# Altium PCB BW1098OAK.PcbDoc (part 2 of 3) (continued)
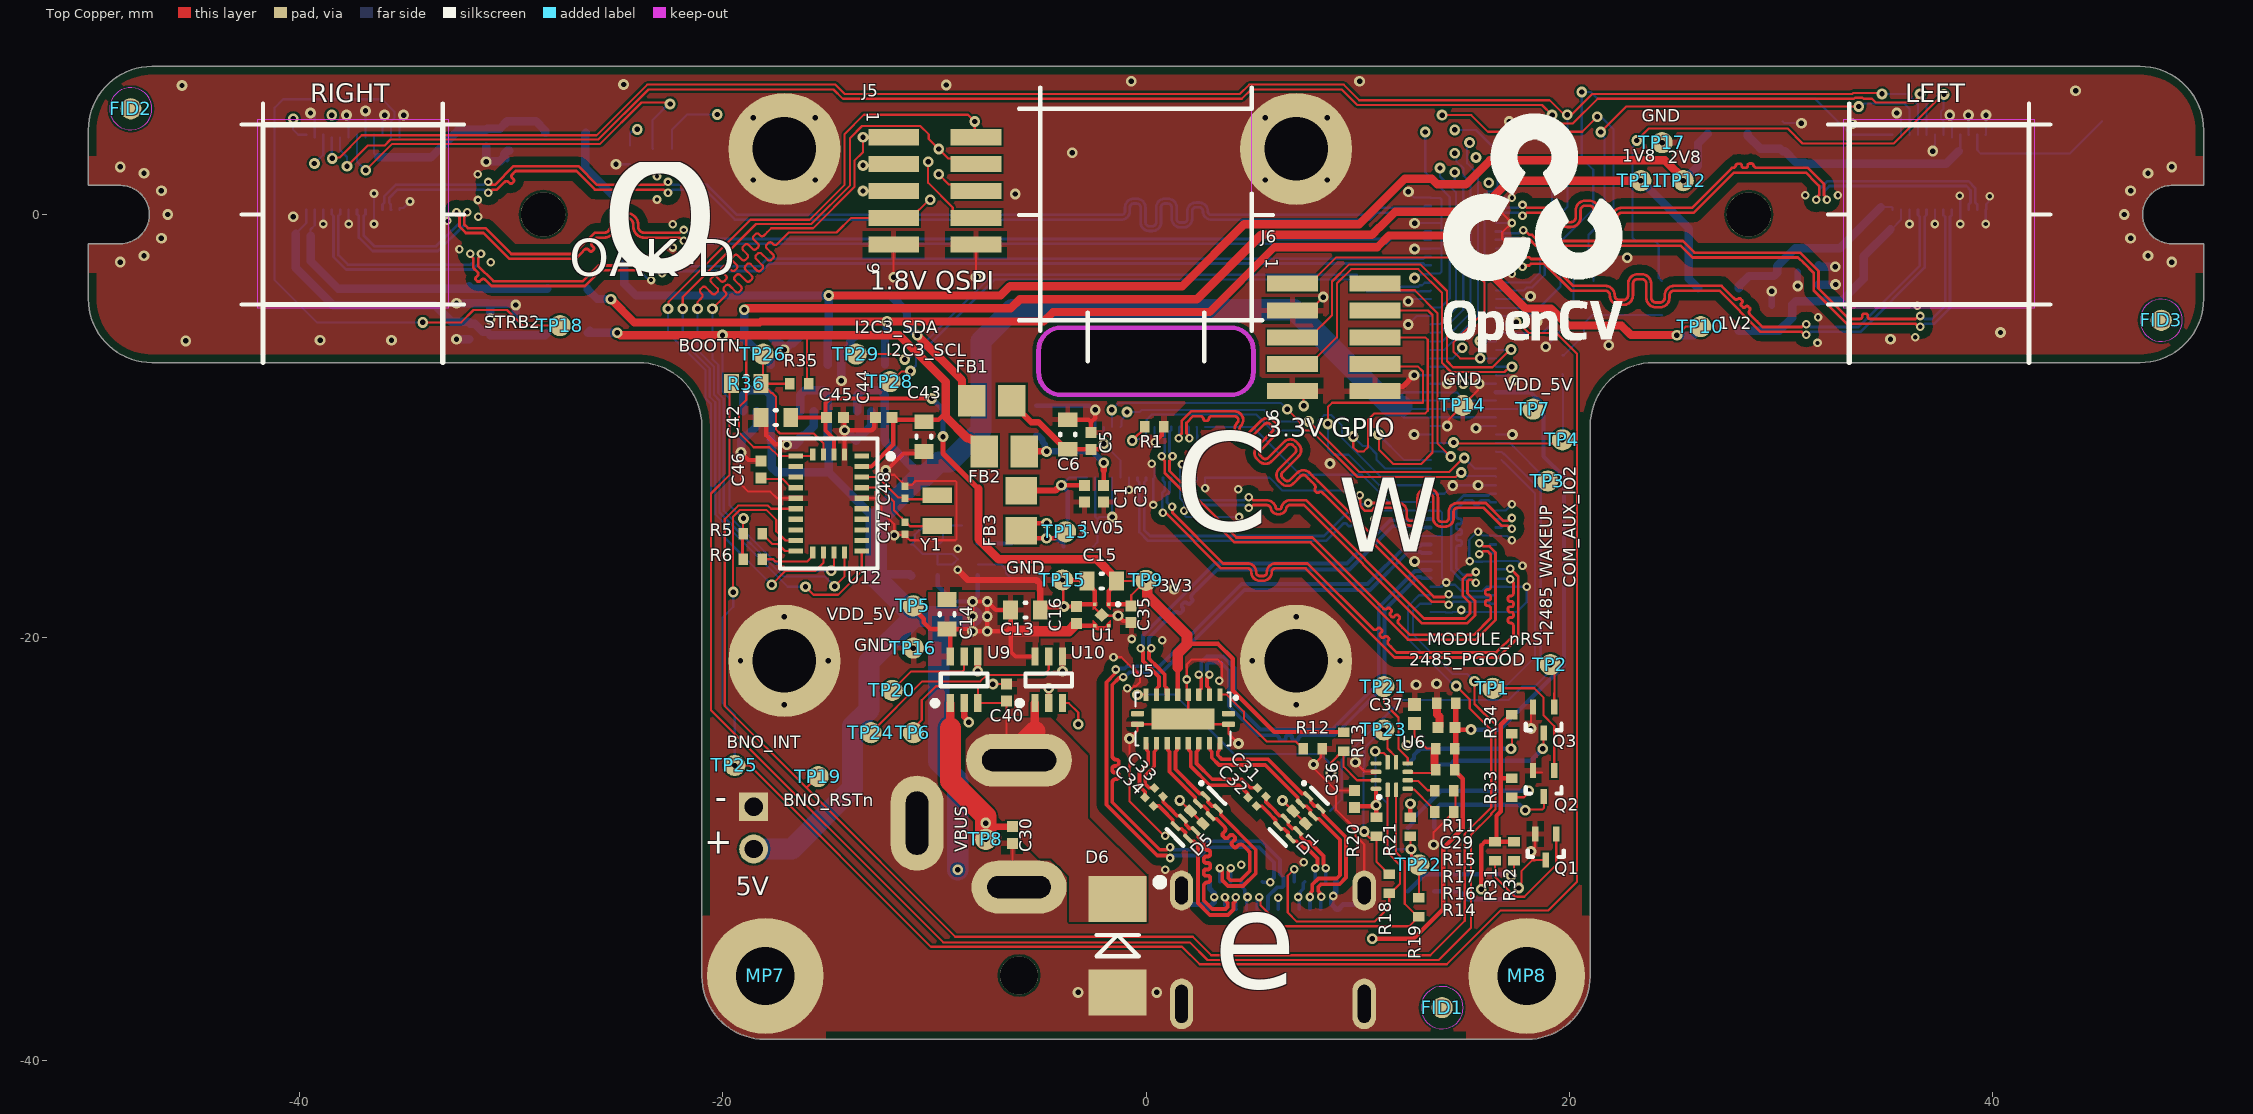
[diagram p0: Top Copper view]
## Nets (pads, with @x,y where several pads share a name; then routed paths per layer and width w, separated by ;. In a path a pad name is that pad's centre, name@x,y a point inside that pad or via, vN(x,y) a via of type N, cw(c..) or ccw(c..) an arc to the next point about the centre after c; other vN are vias at no path point) (continued)
  Top Copper w0.2: v1(-19.15,-11.246) -18.796,-11.6 C46.2@-18.2,-11.6 ; C42.1@-18.3,-9.6 -17.95,-9.95 -17.95,-10.45 -17.538,-10.862 -17.012,-10.862 v1(-16.984,-10.89) ; U12.2@-14.25,-11.35 v1(-14.25,-10.2) ; C45.1@-14.25,-9.6 v1(-14.25,-10.2) ; C44.1@-12.85,-9.6 -12.85,-10.083 -12.967,-10.2 v1(-14.25,-10.2) ; v1@-12.266,-12.1 -11.466,-11.3 C43.1@-10.5,-11.3
  Top Copper w0.203: v1(-3.945,-17.28) -2.85,-17.28 C15.1@-2.795,-17.335 -2.795,-17.435 -2.508,-17.721 -2.499,-17.721 -2.425,-17.796 U1.2@-2.425,-18.425 -3.185,-18.425 C16.1@-3.295,-18.535 v1(-3.878,-18.535) ; C6.1@-3.7,-9.7 -2.719,-9.7 -2.6,-9.819 ; C5.1@-2.6,-10.3 -2.6,-9.819 ; v1(-2.4,-9.238) -2.401,-9.239 -2.401,-9.62 -2.6,-9.819 ; C3.1@-2,-13.6 C3.1@-1.878,-13.722 ; v1(-1.318,-18.971) -1.076,-19.213 C35.1@-0.787,-19.213 ; v2(0.419,-10.773) 0.74,-10.452 0.74,-10.148 R1.2@0.85,-10.038
  Top Copper w0.254: MH4.1@7.075,-23.2 v3(7.1,-23.175) ; J6.10@10.828,-8.347 11.044,-8.131 12.144,-8.131 v1(12.677,-7.598)
  Top Copper w0.3: v4(-8.9,-16.8) -8.42,-17.28 -5.176,-17.28 -5,-17.456 C13.1@-5,-18.7 -4.835,-18.535 v1@-3.88,-18.535 ; U9.2@-8.6,-23.1 -8.6,-23.74 v1@-8.382,-23.958 ; v1@-7.95,-21.5 U9.4@-7.95,-20.9
  Top Copper w0.381: R11.1@13.75,-23.1 13.767,-23.117 13.767,-23.629 13.869,-23.731 13.881,-23.742 ; C29.1@13.8,-24.25 13.869,-24.18 13.869,-23.756
  Bottom Layer w0.102: v1(-39.5,4.8) -39.4,4.8 -39.3,4.7 J9.23@-39.3,3.64 ; v2(-38.9,-0.446) J9.3@-38.9,0.225 ; v1(-37.8,4.7) -37.7,4.7 J9.19@-37.7,3.775 J9.19@-37.7,3.64 ; v2(-37.7,-0.446) J9.6@-37.7,0.225 ; J9.17@-36.9,3.64 -36.9,4.7 -37,4.8 v1(-36.9,4.9) ; v2(-36.5,-0.446) J9.9@-36.5,0.225 v2(-36.5,0.993) ; J9.15@-36.1,3.775 -36.1,4.7 v1(-36,4.7) ; J9.12@-35.3,0.225 -35.3,0.297 -35.289,0.309 -35.109,0.309 v2(-34.8,0.618) ; J9.13@-35.3,3.64 -35.3,4.7 v1(-35.1,4.7) ; -30.2,2.5 -30.15,2.55 C28.1@-30.15,2.709 ; v1(-25.056,2.374) R9.2@-24.4,2.374 ; v2(-23.4,-3.1) -23.476,-3.1 -23.577,-2.999 -23.601,-2.999 -23.8,-2.8 -23.8,-2.3 -23.601,-2.101 -23.577,-2.101 -23.476,-2 v2(-23.4,-2) ; C18.1@-17.7,-5.8 C18.1@-17.7,-5.7 ; R8.1@-10.5,-14.7 -10.5,-14.75 -10.662,-14.912 -10.712,-14.912 -10.934,-15.134 -10.934,-15.434 -11.1,-15.6 -11,-15.6 -10.55,-16.05 U4.3@-9.85,-16.05 ; C22.1@-2.5,-15.7 -2.3,-15.5 C2.1@-2.3,-14.4 ; J2.14@-2.4,-12.438 -2.4,-14.3 C2.1@-2.3,-14.4 ; J2.17@-2.4,-10.038 v1(-2.4,-9.238) ; J2.12@-1.6,-12.438 v1(-1.6,-14.3) -2.2,-14.3 C2.1@-2.3,-14.4 ; v2(-0.8,-13.012) J2.10@-0.8,-12.438 ; v2(0.268,-11.776) 0.268,-11.852 0.4,-11.984 J2.7@0.4,-12.438 0.345,-12.493 v2(0.345,-13.731) ; J2.24@0.4,-10.038 0.4,-10.754 v2(0.419,-10.773) ; v2(1.698,-11.803) 1.698,-11.878 1.6,-11.976 J2.4@1.6,-12.438 1.6,-13.4 1.8,-13.6 v2(1.8,-14) 1.851,-14.051 1.851,-14.251 1.9,-14.3 v2(4.4,-14.3) ; J2.29@2.4,-10.038 2.404,-10.042 2.404,-10.404 2.42,-10.42 v2(2.42,-11.101) ; v2(2.794,-12.943) 2.797,-12.94 2.797,-12.441 J2.1@2.8,-12.438 2.806,-12.444 5.844,-12.444 6.448,-13.048 v2(9.55,-13.048) ; 10.619,-14.581 v2(10.8,-14.4) 11.2,-14 J1.26@13.46,-14 13.468,-14.008 13.908,-14.008 14,-14.1 14,-15.2 ; v1(12.4,-5.2) 12.8,-4.8 J1.72@13.46,-4.8 ; v1(12.4,-4.1) 12.5,-4 J1.76@13.46,-4 ; v1(12.406,1.081) 12.688,0.8 J1.100@13.46,0.8 13.476,0.784 13.899,0.784 13.974,0.709 13.974,-0.158 13.966,-0.165 13.966,-0.4 ; v1(12.677,-10.398) 13.458,-10.398 J1.44@13.46,-10.4 ; v1(12.677,-7.598) 12.679,-7.6 J1.58@13.46,-7.6 ; v1(12.7,-16.4) J1.14@13.46,-16.4 14,-16.4 ; v1(12.7,-15.2) J1.20@13.46,-15.2 14,-15.2 ; v1(12.7,-3) 12.803,-3 12.977,-2.826 13.434,-2.826 J1.82@13.46,-2.8 13.476,-2.784 13.899,-2.784 13.974,-2.709 13.974,-1.6 ; v1(12.7,-1.631) 12.715,-1.615 13.445,-1.615 J1.88@13.46,-1.6 13.974,-1.6 ; v1(12.7,-0.418) 12.709,-0.409 13.451,-0.409 J1.94@13.46,-0.4 13.966,-0.4 ; J1.2@13.46,-18.8 14.148,-18.8 14.168,-18.82 14.472,-18.82 14.491,-18.8 14.724,-18.8 14.824,-18.7 v2(14.9,-18.7) ; J1.8@13.46,-17.6 13.986,-17.6 14.186,-17.4 v2(14.2,-17.4) ; J1.30@13.46,-13.2 14.1,-13.2 14.484,-12.816 v1(14.5,-12.816) ; J1.46@13.46,-10 14.241,-10 v1(14.243,-10.002) ; J1.56@13.46,-8 14.241,-8 v1(14.243,-8.002) ; v1@14.5,-12.8 v1(15.7,-12.8) J1.31@16.54,-12.8 ; v2@14.927,-18.711 14.993,-18.711 15.082,-18.8 J1.1@16.54,-18.8 17.52,-18.8 18,-18.32 v2(18,-17.6) 17.391,-17.6 17.375,-17.616 17.071,-17.616 17.054,-17.6 J1.7@16.54,-17.6 16.1,-17.6 15.9,-17.8 14.9,-17.8 14.606,-17.506 14.381,-17.506 14.276,-17.4 v2(14.2,-17.4) ; v1(15.6,-10.1) 15.673,-10.027 15.873,-10.027 15.9,-10 J1.45@16.54,-10 ; v1(15.757,-7.998) 15.759,-8 J1.55@16.54,-8 ; J1.25@16.54,-14 17,-14 v2(17.3,-13.7) ; J1.43@16.54,-10.4 17.321,-10.4 v1(17.323,-10.402) ; J1.57@16.54,-7.6 16.577,-7.6 16.594,-7.618 17.178,-7.618 v1(17.4,-7.839) ; J1.71@16.54,-4.8 17.1,-4.8 17.218,-4.682 18.12,-4.682 v1(18.5,-5.062) ; J1.75@16.54,-4 18.048,-4 v1(18.179,-3.869) ; J1.81@16.54,-2.8 v2(17.3,-2.8) ; J1.87@16.54,-1.6 v2(17.3,-1.6) ; J1.93@16.54,-0.4 v2(17.3,-0.4) ; J1.99@16.54,0.8 v2(17.3,0.8) ; v2(17.3,-15.4) 17.286,-15.4 17.086,-15.2 J1.19@16.54,-15.2 16.52,-15.18 15.914,-15.18 15.734,-15 v2(15.7,-15) 15.666,-15 15.284,-15.383 15.284,-16.384 v2(15.3,-16.4) 15.312,-16.412 15.591,-16.412 15.598,-16.42 15.902,-16.42 15.922,-16.4 J1.13@16.54,-16.4 16.563,-16.377 17.562,-16.377 17.786,-16.6 v2(17.8,-16.6) ; v1(18.9,-6.25) 19.489,-5.662 19.489,-5.612 19.65,-5.45 R2.2@19.7,-5.45 ; C12.1@30.099,4.397 30.177,4.32 v1(30.988,4.32) ; v1(35.5,4.8) 35.6,4.8 35.7,4.7 J3.23@35.7,3.64 ; v2(36.1,-0.446) J3.3@36.1,0.225 ; v1(37.2,3) 37.273,3.073 37.273,3.292 37.3,3.32 J3.19@37.3,3.775 ; v2(37.3,-0.446) J3.6@37.3,0.225 ; v1(38,4.7) 38.1,4.7 J3.17@38.1,3.64 ; v2(38.481,0.889) 38.5,0.87 J3.9@38.5,0.225 v2(38.5,-0.446) ; v1(38.882,4.7) 38.891,4.691 38.891,3.784 J3.15@38.9,3.775 ; v2(39.7,-0.446) J3.12@39.7,0.225 39.724,0.249 39.724,0.499 39.837,0.612 39.837,0.808 v2(39.895,0.866) ; J3.13@39.7,3.775 39.709,3.784 39.709,4.691 v1(39.717,4.7) ; U4.3@-9.85,-16.05 -9.15,-16.05 U4.9@-8.9,-16.3 -9.15,-16.55 U4.2@-9.85,-16.55 U4.3@-9.85,-16.05 ; 13.966,-0.4 13.974,-0.4 13.974,-1.6 ; 14,-16.4 14,-15.2 ; 14,-16.4 14,-17.186 14.2,-17.386 v2(14.2,-17.4)
  Bottom Layer w0.203: C4.1@-5.195,-9.048 -2.671,-9.048 -2.481,-9.238 v1(-2.4,-9.238)
  Bottom Layer w0.25: J10.SH4@1.68,-31.96 1.68,-32.13 2.175,-32.625 2.675,-32.625 J10.B1@2.9,-32.85 3.22,-32.53 v2(3.22,-32.272) 3.22,-32.091 3,-31.87 J10.A12@3,-31.55 ; J10.A1@9,-31.55 8.975,-31.575 8.975,-32.048 8.783,-32.24 8.783,-32.272 8.783,-32.625 9.008,-32.85 J10.B12@9.1,-32.85 9.325,-32.625 9.621,-32.625 9.825,-32.625 10.32,-32.13 J10.SH1@10.32,-31.96
  Bottom Layer w0.3: v1@29.582,-3.516 v1(29.582,-3.625) 29.582,-4.298 C10.1@29.591,-4.307 ; v1(30.81,-3.378) C8.1@30.81,-2.704
  Bottom Layer w0.4: v1@-32.5,-5.9 C25.1@-32,-5.9 ; v1@-32.5,-4.2 C23.1@-32,-4.2 -31.1,-4.2 C26.1@-31,-4.3 ; C27.1@-31.2,3.2 v1(-31.2,2.5) -31.179,2.521 -30.538,2.521 -30.349,2.709 -30.349,2.857 -30.199,3.007 C28.1@-30.099,3.007 ; v1(-31,-4.934) C26.1@-31,-4.3 ; C24.1@-29.8,-4.9 v1(-29.8,-4.276) -29.8,-4.2 -29.811,-4.211 -30.911,-4.211 C26.1@-31,-4.3 ; v1(-19.15,-11.246) -19.129,-11.225 -19.129,-10.729 C19.1@-19.1,-10.7 -19.1,-10.6 -18.95,-10.45 -18.85,-10.45 -18.4,-10 U2.2@-18.4,-9.3 ; C18.1@-17.7,-5.8 -17.413,-6.086 -17.313,-6.086 -17.153,-6.247 -17.153,-6.347 v1(-17.1,-6.4) -16.786,-6.087 -16.686,-6.087 -16.4,-5.8 C20.1@-16.4,-5.7 ; v1@-16.994,-10.901 v1(-16.984,-10.89) -16.974,-10.88 -16.55,-10.88 -16.4,-10.73 C38.1@-16.4,-10.7 -16.4,-10.6 -16.25,-10.45 -16.15,-10.45 -15.7,-10 U3.2@-15.7,-9.3 ; v1(-14.4,-7.863) -14.4,-6.6 -13.986,-6.187 -13.986,-5.987 C39.1@-13.7,-5.7 ; v1(-14.25,-10.2) -14.2,-10.2 C17.1@-13.7,-10.7 -13.7,-10.6 -13.55,-10.45 -13.45,-10.45 -13,-10 U8.2@-13,-9.3 ; C7.1@31.8,-3.3 31.81,-3.31 v1(32.604,-3.31) ; C9.1@31.8,-2.4 31.87,-2.47 v1(32.593,-2.47)
  other v1: -3.21,-36.779 0.507,-36.779 -4.6,-22.4 12.77,-22.227 13.74,-22.19 -7.95,-21.6 -3.95,-21.6 -11,-20.5 1.325,-17.7 8.7,-11.775 21.875,-6.175 -45.4,-5.975 -39.05,-5.95 -35.675,-5.95 -32.602,-5.9 35.2,-5.9 40.4,-5.575 -32.602,-4.2 -48.5,-2.25 48.5,-2.25 22.753,-2.046 -47.375,-1.949 47.375,-1.949 -46.551,-1.125 46.551,-1.125 -40.324,-0.1 -46.25,0 46.25,0 -6.182,0.972 -46.551,1.125 46.551,1.125 -47.375,1.949 47.375,1.949 -48.5,2.25 48.5,2.25 -3.483,2.915 24.4,3.4 33.391,4.291 17.175,4.4 43.95,5.85 -45.575,6.1 -9.45,6.125 -24.7,6.15 -0.7,6.3 10.1,6.3
  other v2: 8.859,-32.221 0.911,-30.974 4.503,-30.745 7.464,-30.619 3.47,-22.049 0.765,-20.134 -0.677,-20.071 4.355,-12.983 31.75,-6.071 36.374,-5.806 31.775,-4.851 36.474,-4.306 -30.981,-2.251 -32.461,-1.64 -22.371,-1.56 -22.371,-0.46 -33.043,-0.302 -31.578,-0.106 -31.587,0.689 -23.121,0.711 31.166,0.914 32.715,0.914 -23.121,1.811 -31.6,1.9
  other v3: -17.1,-23.175 -19.175,-21.1 -15.025,-21.1 5.025,-21.1 9.175,-21.1 -17.1,-19.025 7.1,-19.025 -18.567,1.633 -15.633,1.633 5.633,1.633 8.567,1.633 -18.567,4.567 -15.633,4.567 5.633,4.567 8.567,4.567
  other v4: -8.9,-15.8
I2C1_SCL: J1.35 J2.20 | length 20.1
  Top Copper w0.102: v1(7.699,-9.788) 10.084,-12.173 14.337,-12.173 14.995,-11.514 v1(15.043,-11.514)
  Bottom Layer w0.102: J2.20@-1.2,-10.038 -1.154,-9.991 -1.154,-9.695 -0.9,-9.441 v1(-0.9,-9.338) ; v1@-0.83,-9.268 v1(-0.9,-9.338) ; v1(7.699,-9.788) 6.152,-9.788 5.603,-9.239 -0.194,-9.239 -0.293,-9.338 v1(-0.9,-9.338) ; v1(15.043,-11.514) 15.529,-12 J1.35@16.54,-12
I2C1_SDA: J1.33 J2.19 | length 20.8
  Top Copper w0.102: v1(6.674,-9.213) 7.282,-9.82 7.282,-9.961 7.526,-10.205 7.796,-10.205 10,-12.409 14.637,-12.409 14.847,-12.2 v1(14.9,-12.2)
  Bottom Layer w0.102: J2.19@-1.6,-10.038 -1.609,-10.029 -1.609,-9.247 v1(-1.617,-9.238) -1.286,-8.907 6.368,-8.907 v1(6.674,-9.213) ; v1(14.9,-12.2) 15.007,-12.2 15.163,-12.356 16.181,-12.356 16.186,-12.361 16.501,-12.361 J1.33@16.54,-12.4
I2C2_SCL: J1.77 J3.21 J9.21 | length 91.3
  Top Copper w0.102: v1(-38.471,2.654) -38.436,2.689 -38.135,2.689 -37.076,3.747 -25.976,3.747 -23.583,6.141 -14.678,6.141 -14.237,5.7 4.44,5.7 4.881,6.141 9.348,6.141 10.083,5.405 19.085,5.405 v1@19.847,4.644 ; v1(19.921,4.717) v1@19.847,4.644 ; v1(34.8,5.703) 34.752,5.751 33.433,5.751 33.382,5.7 21.1,5.7 19.99,4.59 19.937,4.644 v1@19.847,4.644
  Bottom Layer w0.102: J9.21@-38.5,3.64 -38.5,2.683 v1(-38.471,2.654) ; J1.77@16.54,-3.6 17.858,-3.6 18.006,-3.451 18.249,-3.451 18.85,-2.85 18.85,-0.718 19.921,0.352 v1(19.921,4.717) ; v1(34.8,5.703) 34.803,5.7 36,5.7 36.5,5.2 J3.21@36.5,3.775
I2C2_SDA: J1.79 J3.20 J9.20 | length 91.3
  Top Copper w0.102: v1(-37.779,2.288) -36.809,3.258 -36.003,3.258 -35.717,3.544 -25.892,3.544 -23.523,5.914 -14.772,5.914 -14.331,5.473 4.534,5.473 4.975,5.914 9.254,5.914 9.989,5.178 18.722,5.178 v1(19.2,4.7) 19.2,4.651 19.551,4.3 20.178,4.3 21.351,5.473 33.476,5.473 33.527,5.524 33.873,5.524 33.924,5.473 34.327,5.473 34.504,5.296 36.266,5.296 36.6,5.631 v1(36.6,5.7)
  Bottom Layer w0.102: J9.20@-38.1,3.64 -38.1,3.041 -37.779,2.72 v1(-37.779,2.288) ; J1.79@16.54,-3.2 16.558,-3.217 18.161,-3.217 18.623,-2.756 18.623,-0.624 19.2,-0.047 v1(19.2,4.7) ; v1(36.6,5.7) 36.9,5.4 J3.20@36.9,3.775
I2C3_SCL_1V8: J1.78 TP28.1 | length 28
  Top Copper w0.102: TP28.1@-12.1,-7.9 -12.024,-7.9 -11.541,-7.417 -11.153,-7.417 v1(-11.135,-7.399)
  Bottom Layer w0.102: v1(-11.135,-7.399) -10.874,-7.138 -10.874,-6.782 -7.165,-3.073 9.873,-3.073 10.444,-3.644 12.967,-3.644 12.985,-3.627 13.434,-3.627 J1.78@13.46,-3.6
I2C3_SDA_1V8: J1.80 TP29.1 | length 29.3
  Top Copper w0.102: TP29.1@-13.7,-6.6 -11.727,-6.6 -11.471,-6.856 v1(-11.408,-6.856)
  Bottom Layer w0.102: v1(-11.408,-6.856) -11.324,-6.856 -11.297,-6.883 -7.259,-2.846 9.967,-2.846 10.539,-3.417 12.873,-3.417 12.944,-3.347 13.053,-3.347 13.173,-3.226 13.434,-3.226 J1.80@13.46,-3.2
MIPI_RX2_C_N: J1.95 J3.11 | length 28.8
  Top Copper w0.127: v2(17.8,-0.053) 17.875,-0.053 18.014,0.086 18.364,0.086 18.561,0.086 19.231,0.086 cw(c19.231,-0.137) 19.454,-0.137 ccw(c19.904,-0.137) 19.904,-0.587 20.095,-0.587 ccw(c20.095,-0.137) 20.546,-0.137 20.546,0.2 cw(c20.768,0.2) 20.768,0.422 20.958,0.422 cw(c20.958,0.2) 21.181,0.2 21.181,-0.203 ccw(c21.632,-0.203) 21.632,-0.654 21.822,-0.654 ccw(c21.822,-0.203) 22.273,-0.203 22.273,-0.137 cw(c22.495,-0.137) 22.495,0.086 22.673,0.086 25.9,0.086 27.792,1.978 31.194,1.978 31.648,1.524 31.826,1.346 31.826,0.914 31.687,0.775 v2(31.687,0.7)
  Bottom Layer w0.127: J1.95@16.54,0 16.8,0 16.886,0.086 17.586,0.086 17.725,-0.053 v2(17.8,-0.053) ; v2(31.687,0.7) 31.687,0.775 31.826,0.914 31.826,1.188 32.213,1.575 38.88,1.575 39.214,1.241 39.214,0.561 39.3,0.475 J3.11@39.3,0.225
MIPI_RX2_C_P: J1.97 J3.10 | length 28.9
  Top Copper w0.127: v2(17.8,0.453) 17.875,0.453 18.014,0.314 18.364,0.314 18.561,0.314 19.231,0.314 cw(c19.231,-0.137) 19.682,-0.137 ccw(c19.904,-0.137) 19.904,-0.359 20.095,-0.359 ccw(c20.095,-0.137) 20.317,-0.137 20.317,0.2 cw(c20.768,0.2) 20.768,0.651 20.958,0.651 cw(c20.958,0.2) 21.409,0.2 21.409,-0.203 ccw(c21.632,-0.203) 21.632,-0.426 21.822,-0.426 ccw(c21.822,-0.203) 22.044,-0.203 22.044,-0.137 cw(c22.495,-0.137) 22.495,0.314 22.673,0.314 25.805,0.314 27.698,2.207 27.761,2.207 ccw(c27.735,2.372) 27.888,2.305 cw(c27.986,2.305) 27.986,2.402 28.07,2.402 cw(c28.07,2.305) 28.167,2.305 ccw(c28.265,2.305) 28.265,2.207 28.349,2.207 ccw(c28.349,2.305) 28.447,2.305 28.447,2.312 cw(c28.545,2.312) 28.545,2.41 28.628,2.41 cw(c28.628,2.312) 28.726,2.312 ccw(c28.881,2.374) 28.881,2.207 29.289,2.207 29.352,2.207 31.289,2.207 32.055,1.441 32.055,0.914 32.194,0.775 v2(32.194,0.7)
  Bottom Layer w0.127: J1.97@16.54,0.4 16.8,0.4 16.886,0.314 17.586,0.314 17.725,0.453 v2(17.8,0.453) ; v2(32.194,0.7) 32.194,0.775 32.055,0.914 32.055,1.094 32.307,1.346 38.786,1.346 38.986,1.146 38.986,0.561 38.9,0.475 J3.10@38.9,0.225
MIPI_RX2_D0_N: J1.89 J3.8 | length 28.8
  Top Copper w0.127: v2(17.834,-1.253) 17.888,-1.2 18.041,-1.2 18.049,-1.192 18.154,-1.192 18.444,-1.482 25.29,-1.482 25.836,-2.029 30.829,-2.029 31.1,-2.3 31.571,-2.771 31.571,-3.586 33.153,-5.168 33.678,-5.168 36.386,-5.168 36.525,-5.306 v2(36.6,-5.306)
  Bottom Layer w0.127: J1.89@16.54,-1.2 16.8,-1.2 16.886,-1.114 17.62,-1.114 17.759,-1.253 v2(17.834,-1.253) ; v2(36.6,-5.306) 36.675,-5.306 36.814,-5.168 37.256,-5.168 38.014,-4.409 38.014,-0.111 38.1,-0.025 J3.8@38.1,0.225
MIPI_RX2_D0_P: J1.91 J3.7 | length 28.8
  Top Copper w0.127: v2(17.834,-0.747) 17.91,-0.747 18.126,-0.963 18.248,-0.963 18.539,-1.254 25.384,-1.254 25.93,-1.8 30.923,-1.8 31.8,-2.677 31.8,-3.492 33.247,-4.939 33.678,-4.939 33.742,-4.939 ccw(c33.742,-4.812) 33.869,-4.812 33.869,-4.774 cw(c33.957,-4.774) 33.957,-4.685 34.034,-4.685 cw(c34.034,-4.774) 34.123,-4.774 34.123,-4.812 ccw(c34.25,-4.812) 34.25,-4.939 35.999,-4.939 36.386,-4.939 36.525,-4.8 v2(36.6,-4.8)
  Bottom Layer w0.127: J1.91@16.54,-0.8 16.8,-0.8 16.886,-0.886 17.62,-0.886 17.759,-0.747 v2(17.834,-0.747) ; v2(36.6,-4.8) 36.675,-4.8 36.814,-4.939 37.161,-4.939 37.786,-4.314 37.786,-0.111 37.7,-0.025 J3.7@37.7,0.225
MIPI_RX2_D1_N: J1.83 J3.5 | length 28.8
  Top Copper w0.127: v2(17.8,-2.468) 17.853,-2.414 18.115,-2.414 18.2,-2.329 18.834,-2.329 20.106,-3.6 20.4,-3.6 21.708,-3.6 cw(c21.708,-3.822) 21.931,-3.822 ccw(c22.381,-3.822) 22.381,-4.273 22.572,-4.273 ccw(c22.572,-3.822) 23.023,-3.822 23.023,-3.276 cw(c23.245,-3.276) 23.245,-3.053 23.435,-3.053 cw(c23.435,-3.276) 23.658,-3.276 23.658,-3.937 ccw(c24.109,-3.937) 24.109,-4.387 24.299,-4.387 ccw(c24.299,-3.937) 24.75,-3.937 24.75,-3.822 cw(c24.972,-3.822) 24.972,-3.6 25.15,-3.6 27.112,-3.6 29.062,-5.549 31.003,-5.549 31.141,-5.688 v2(31.217,-5.688)
  Bottom Layer w0.127: J1.83@16.54,-2.4 16.8,-2.4 16.886,-2.314 17.572,-2.314 17.725,-2.468 v2(17.8,-2.468) ; v2(31.217,-5.688) 31.292,-5.688 31.431,-5.549 33.774,-5.549 36.814,-2.509 36.814,-0.111 36.9,-0.025 J3.5@36.9,0.225
MIPI_RX2_D1_P: J1.85 J3.4 | length 28.9
  Top Copper w0.127: v2(17.8,-1.961) 17.853,-2.015 18.115,-2.015 18.2,-2.1 18.929,-2.1 20.2,-3.371 20.4,-3.371 21.708,-3.371 cw(c21.708,-3.822) 22.159,-3.822 ccw(c22.381,-3.822) 22.381,-4.045 22.572,-4.045 ccw(c22.572,-3.822) 22.794,-3.822 22.794,-3.276 cw(c23.245,-3.276) 23.245,-2.825 23.435,-2.825 cw(c23.435,-3.276) 23.886,-3.276 23.886,-3.937 ccw(c24.109,-3.937) 24.109,-4.159 24.299,-4.159 ccw(c24.299,-3.937) 24.521,-3.937 24.521,-3.822 cw(c24.972,-3.822) 24.972,-3.371 25.15,-3.371 27.207,-3.371 27.777,-3.942 27.822,-3.987 ccw(c27.912,-3.897) 28.002,-3.987 cw(c28.056,-4.041) 28.11,-3.987 28.182,-4.059 cw(c28.128,-4.112) 28.182,-4.166 28.146,-4.202 ccw(c28.2,-4.256) 28.146,-4.31 28.218,-4.382 ccw(c28.271,-4.328) 28.325,-4.382 28.361,-4.346 cw(c28.415,-4.4) 28.469,-4.346 28.541,-4.418 cw(c28.487,-4.472) 28.541,-4.526 ccw(c28.631,-4.615) 28.541,-4.705 28.842,-5.006 28.887,-5.051 29.156,-5.32 31.003,-5.32 31.141,-5.182 v2(31.217,-5.182)
  Bottom Layer w0.127: J1.85@16.54,-2 16.8,-2 16.886,-2.086 17.6,-2.086 17.725,-1.961 v2(17.8,-1.961) ; v2(31.217,-5.182) 31.292,-5.182 31.431,-5.32 33.68,-5.32 36.586,-2.414 36.586,-0.111 36.5,-0.025 J3.4@36.5,0.225
MIPI_RX3_C_N: J1.96 J9.11 | length 56.6
  Top Copper w0.127: v2(-31.1,1.035) -31.025,1.035 -30.886,1.173 -30.692,1.173 -30.548,1.317 -30.324,1.541 cw(c-30.234,1.452) -30.144,1.541 -30.088,1.485 ccw(c-30.025,1.548) -29.962,1.485 -29.908,1.539 ccw(c-29.971,1.602) -29.908,1.664 -29.965,1.721 cw(c-29.875,1.811) -29.965,1.901 -29.828,2.038 -29.808,2.057 -26.934,2.057 -26.05,1.173 -23.341,1.173 -22.814,1.173 -22.675,1.035 v2(-22.6,1.035)
  Bottom Layer w0.127: J9.11@-35.7,0.225 -35.712,0.237 -35.712,0.487 -35.786,0.561 -35.786,0.771 -35.383,1.173 -34.3,1.173 -32.1,1.173 -31.314,1.173 -31.175,1.035 v2(-31.1,1.035) ; v2(-22.6,1.035) -22.525,1.035 -22.386,1.173 -20.847,1.173 -19.428,-0.245 -1.347,-0.245 -1.169,-0.245 ccw(c-1.169,0.162) -0.763,0.162 -0.763,0.339 cw(c-0.585,0.339) -0.585,0.517 -0.433,0.517 cw(c-0.433,0.339) -0.255,0.339 -0.255,-0.372 ccw(c0.151,-0.372) 0.151,-0.778 0.304,-0.778 ccw(c0.304,-0.372) 0.71,-0.372 0.71,0.339 cw(c0.888,0.339) 0.888,0.517 1.04,0.517 cw(c1.04,0.339) 1.218,0.339 1.218,-0.202 ccw(c1.625,-0.202) 1.625,-0.608 1.777,-0.608 ccw(c1.777,-0.202) 2.183,-0.202 2.183,0.162 cw(c2.361,0.162) 2.361,0.339 2.514,0.339 cw(c2.514,0.162) 2.691,0.162 ccw(c3.098,0.162) 3.098,-0.245 3.744,-0.245 10.579,-0.245 10.909,0.086 13.114,0.086 13.2,0 J1.96@13.46,0
MIPI_RX3_C_P: J1.98 J9.10 | length 56.8
  Top Copper w0.127: v2(-31.1,1.541) -31.025,1.541 -30.886,1.402 ; v2@-31.048,1.401 v2@-30.981,1.401 ; v2@-30.981,1.402 -30.886,1.402 ; v2(-22.6,1.541) -22.675,1.541 -22.814,1.402 -23.341,1.402 -25.955,1.402 -26.839,2.286 -29.903,2.286 -30.787,1.402 -30.886,1.402
  Bottom Layer w0.127: J9.10@-36.1,0.225 -36.1,0.475 -36.014,0.561 -36.014,0.865 -35.477,1.402 -31.314,1.402 -31.175,1.541 v2(-31.1,1.541) ; v2(-22.6,1.541) -22.525,1.541 -22.386,1.402 -20.752,1.402 -19.334,-0.016 -1.347,-0.016 -1.169,-0.016 ccw(c-1.169,0.162) -0.992,0.162 -0.992,0.339 cw(c-0.585,0.339) -0.585,0.746 -0.433,0.746 cw(c-0.433,0.339) -0.026,0.339 -0.026,-0.372 ccw(c0.151,-0.372) 0.151,-0.55 0.304,-0.55 ccw(c0.304,-0.372) 0.482,-0.372 0.482,0.339 cw(c0.888,0.339) 0.888,0.746 1.04,0.746 cw(c1.04,0.339) 1.447,0.339 1.447,-0.202 ccw(c1.625,-0.202) 1.625,-0.379 1.777,-0.379 ccw(c1.777,-0.202) 1.955,-0.202 1.955,0.162 cw(c2.361,0.162) 2.361,0.568 2.514,0.568 cw(c2.514,0.162) 2.92,0.162 ccw(c3.098,0.162) 3.098,-0.016 3.744,-0.016 10.484,-0.016 10.814,0.314 13.114,0.314 13.2,0.4 J1.98@13.46,0.4
MIPI_RX3_D0_N: J1.90 J9.8 | length 56.6
  Top Copper w0.127: v2(-32.6,0.108) -32.6,0.033 -32.461,-0.106 -32.461,-0.565 -32.155,-0.871 -31.329,-0.871 -30.103,-2.097 -26.974,-2.097 -26.693,-1.816 -26.541,-1.664 cw(c-26.451,-1.754) -26.361,-1.664 -26.305,-1.721 ccw(c-26.242,-1.658) -26.179,-1.721 -26.125,-1.667 ccw(c-26.188,-1.604) -26.125,-1.541 -26.182,-1.485 cw(c-26.092,-1.395) -26.182,-1.305 -26.137,-1.26 -25.973,-1.097 -25.81,-1.097 -25.632,-1.097 ccw(c-25.632,-0.566) -25.101,-0.566 -25.101,-0.475 cw(c-24.799,-0.475) -24.799,-0.173 -24.54,-0.173 cw(c-24.54,-0.475) -24.237,-0.475 -24.237,-0.566 ccw(c-23.707,-0.566) -23.707,-1.097 -23.093,-1.097 -22.064,-1.097 -21.926,-1.236 v2(-21.85,-1.236)
  Bottom Layer w0.127: J9.8@-36.9,0.225 -36.9,0.015 -36.986,-0.071 -36.986,-0.991 -36.477,-1.5 -33.57,-1.5 -32.461,-0.391 -32.461,-0.106 -32.6,0.033 v2(-32.6,0.108) ; v2(-21.85,-1.236) -21.775,-1.236 -21.636,-1.097 -21.201,-1.097 -20.911,-1.387 11.349,-1.387 11.621,-1.114 13.114,-1.114 13.2,-1.2 J1.90@13.46,-1.2
MIPI_RX3_D0_P: J1.92 J9.7 | length 56.6
  Top Copper w0.127: v2(-32.094,0.108) -32.094,0.033 -32.232,-0.106 -32.232,-0.47 -32.06,-0.643 -31.234,-0.643 -30.009,-1.869 -27.069,-1.869 -26.068,-0.868 -25.81,-0.868 -25.632,-0.868 ccw(c-25.632,-0.566) -25.33,-0.566 -25.33,-0.475 cw(c-24.799,-0.475) -24.799,0.056 -24.54,0.056 cw(c-24.54,-0.475) -24.009,-0.475 -24.009,-0.566 ccw(c-23.707,-0.566) -23.707,-0.868 -23.093,-0.868 -22.064,-0.868 -21.926,-0.729 v2(-21.85,-0.729)
  Bottom Layer w0.127: J9.7@-37.3,0.225 -37.3,0.015 -37.214,-0.071 -37.214,-1.086 -36.571,-1.729 -33.475,-1.729 -32.232,-0.486 -32.232,-0.106 -32.094,0.033 v2(-32.094,0.108) ; v2(-21.85,-0.729) -21.775,-0.729 -21.636,-0.868 -21.106,-0.868 -20.816,-1.158 11.254,-1.158 11.527,-0.886 13.114,-0.886 13.2,-0.8 J1.92@13.46,-0.8
MIPI_RX3_D1_N: J1.84 J9.5 | length 56.6
  Top Copper w0.127: v2(-31.945,-1.857) -31.945,-1.933 -31.807,-2.071 -31.807,-2.519 -31.762,-2.564 -31.604,-2.721 cw(c-31.694,-2.811) -31.604,-2.901 -31.675,-2.972 ccw(c-31.613,-3.035) -31.675,-3.098 -31.621,-3.152 ccw(c-31.559,-3.089) -31.496,-3.152 -31.425,-3.08 cw(c-31.335,-3.17) -31.245,-3.08 -31.2,-3.125 -30.947,-3.379 -26.532,-3.379 -25.791,-2.637 -23.093,-2.637 -22.954,-2.776 v2(-22.879,-2.776)
  Bottom Layer w0.127: J9.5@-38.1,0.225 -38.1,0.015 -38.186,-0.071 -38.186,-0.513 -38.186,-1.914 -37.729,-2.371 -31.927,-2.371 -31.807,-2.251 -31.807,-2.071 -31.945,-1.933 v2(-31.945,-1.857) ; v2(-22.879,-2.776) -22.804,-2.776 -22.696,-2.669 -18.145,-2.669 -17.791,-2.314 13.114,-2.314 13.2,-2.4 J1.84@13.46,-2.4
MIPI_RX3_D1_P: J1.86 J9.4 | length 56.7
  Top Copper w0.127: v2(-31.439,-1.857) -31.439,-1.933 -31.578,-2.071 -31.578,-2.424 -30.852,-3.15 -26.627,-3.15 -25.885,-2.409 -23.093,-2.409 -22.954,-2.27 v2(-22.879,-2.27)
  Bottom Layer w0.127: J9.4@-38.5,0.225 -38.5,0.015 -38.414,-0.071 -38.414,-0.608 -38.414,-2.009 -37.823,-2.6 ; -37.89,-2.533 -37.823,-2.6 ; v2(-31.439,-1.857) -31.439,-1.933 -31.578,-2.071 -31.578,-2.346 -31.832,-2.6 -37.823,-2.6 ; v2(-22.879,-2.27) -22.804,-2.27 -22.633,-2.44 -18.24,-2.44 -17.886,-2.086 13.114,-2.086 13.2,-2 J1.86@13.46,-2
MIPI_RX4_C_N: J1.3 J2.28 | length 26.7
  Top Copper w0.127: v2(2.053,-10.572) 2.053,-10.496 1.914,-10.357 1.914,-9.852 2.229,-9.536 2.273,-9.536 2.567,-9.536 cw(c2.567,-9.688) 2.717,-9.662 ccw(c2.806,-9.662) 2.806,-9.751 2.882,-9.751 ccw(c2.882,-9.662) 2.971,-9.662 cw(c3.121,-9.688) 3.121,-9.536 3.466,-9.536 3.528,-9.536 4.188,-9.536 cw(c4.188,-9.714) 4.313,-9.84 ccw(c4.601,-10.127) 4.314,-10.415 4.422,-10.522 ccw(c4.709,-10.235) 4.996,-10.522 5.609,-9.91 cw(c5.735,-10.035) 5.862,-9.91 ; 5.862,-9.91 5.968,-10.016 cw(c5.843,-10.142) 5.969,-10.268 ; 5.968,-10.269 5.249,-10.988 ccw(c5.537,-11.275) 5.249,-11.563 5.357,-11.67 ccw(c5.644,-11.383) 5.932,-11.67 6.691,-10.911 ; 6.692,-10.91 cw(c6.818,-11.036) 6.944,-10.911 ; 6.944,-10.911 7.05,-11.017 ; 7.051,-11.017 cw(c6.926,-11.144) 7.051,-11.27 6.291,-12.03 ccw(c6.578,-12.317) 6.291,-12.604 6.399,-12.712 ccw(c6.686,-12.425) 6.973,-12.712 7.316,-12.369 cw(c7.443,-12.494) 7.568,-12.368 ; 7.569,-12.369 7.694,-12.494 7.76,-12.56 7.805,-12.605 7.971,-12.771 cw(c7.864,-12.879) 7.998,-12.95 ccw(c8.061,-13.013) 7.998,-13.076 8.052,-13.129 ccw(c8.115,-13.067) 8.178,-13.129 cw(c8.249,-13.263) 8.357,-13.157 8.551,-13.351 8.596,-13.396 13.514,-18.314 14.106,-18.314 14.244,-18.453 v2(14.32,-18.453)
  Bottom Layer w0.127: J2.28@2,-10.038 2.027,-10.065 2.027,-10.545 v2(2.053,-10.572) ; v2(14.32,-18.453) 14.395,-18.453 14.534,-18.314 16.194,-18.314 16.28,-18.4 J1.3@16.54,-18.4
MIPI_RX4_C_P: J1.5 J2.27 | length 26.6
  Top Copper w0.127: v2(1.547,-10.572) 1.547,-10.496 1.686,-10.357 1.686,-9.757 2.135,-9.308 3.757,-9.308 4.188,-9.308 cw(c4.188,-9.714) 4.476,-10.001 ccw(c4.601,-10.127) 4.476,-10.253 4.583,-10.36 ; 4.583,-10.36 ccw(c4.709,-10.235) 4.835,-10.36 5.448,-9.747 cw(c5.735,-10.035) 5.985,-9.714 5.989,-9.714 6.164,-9.889 6.164,-9.893 cw(c5.843,-10.142) 6.131,-10.43 5.412,-11.149 ccw(c5.537,-11.275) 5.411,-11.401 5.518,-11.508 ccw(c5.644,-11.383) 5.77,-11.508 6.53,-10.748 cw(c6.818,-11.036) 7.067,-10.715 7.072,-10.715 7.246,-10.89 7.246,-10.894 cw(c6.926,-11.144) 7.213,-11.431 6.453,-12.191 ; 6.453,-12.191 ccw(c6.578,-12.317) 6.453,-12.443 6.56,-12.55 ccw(c6.686,-12.425) 6.812,-12.55 7.155,-12.208 cw(c7.443,-12.494) 7.731,-12.207 7.856,-12.333 8.123,-12.6 13.609,-18.086 14.106,-18.086 14.244,-17.947 v2(14.32,-17.947)
  Bottom Layer w0.127: v2(1.547,-10.572) 1.573,-10.545 1.573,-10.065 J2.27@1.6,-10.038 ; v2(14.32,-17.947) 14.395,-17.947 14.534,-18.086 16.194,-18.086 16.28,-18 J1.5@16.54,-18